# KiCad board knoblin3.kicad_pcb
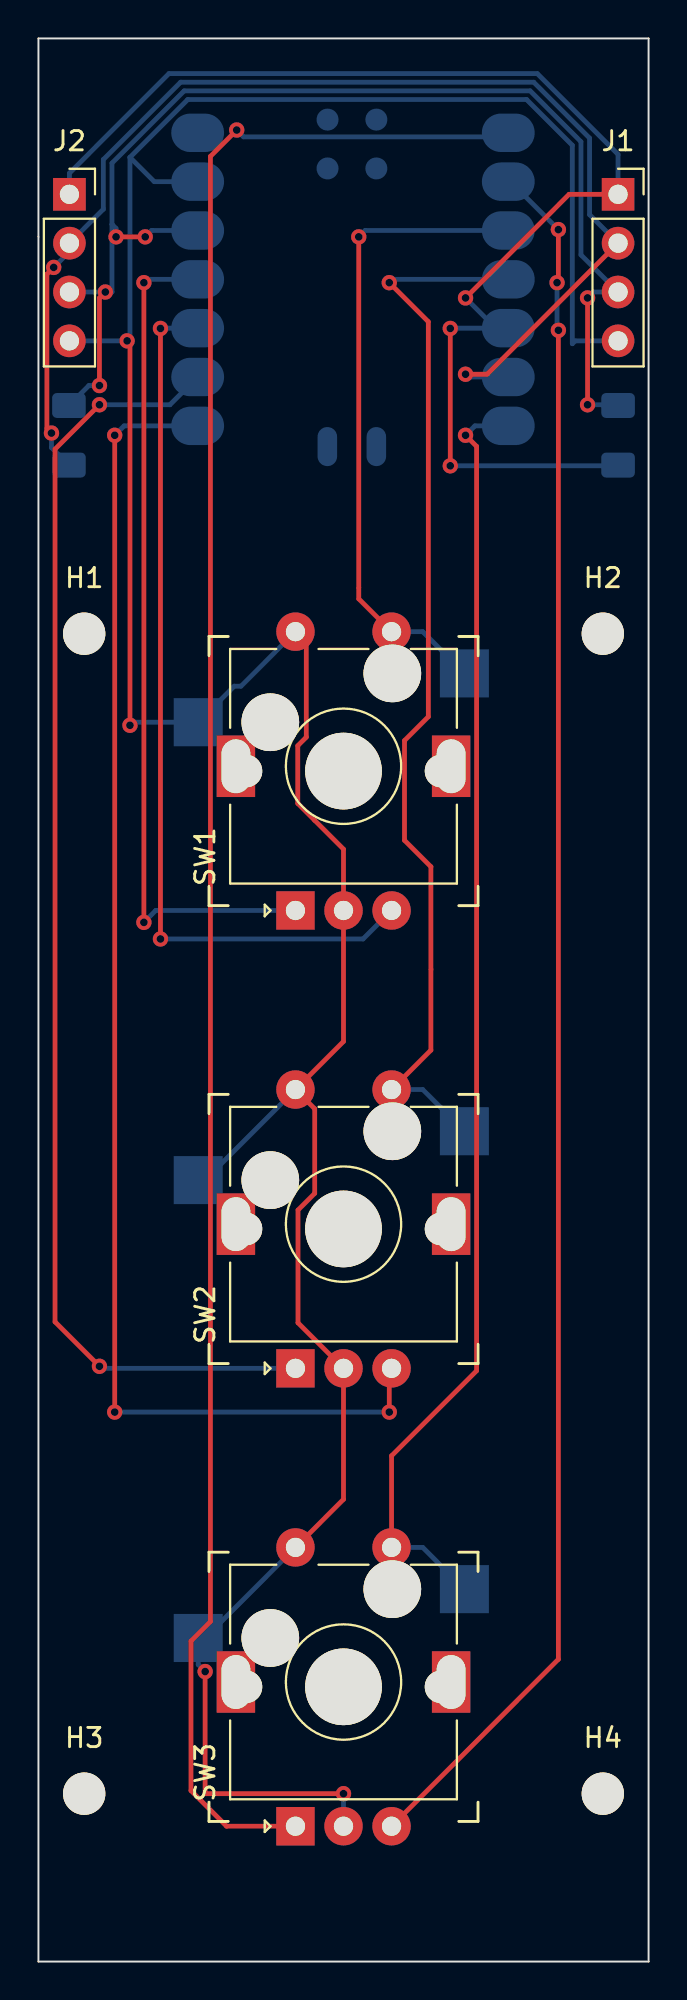
[diagram p0: board, top side]
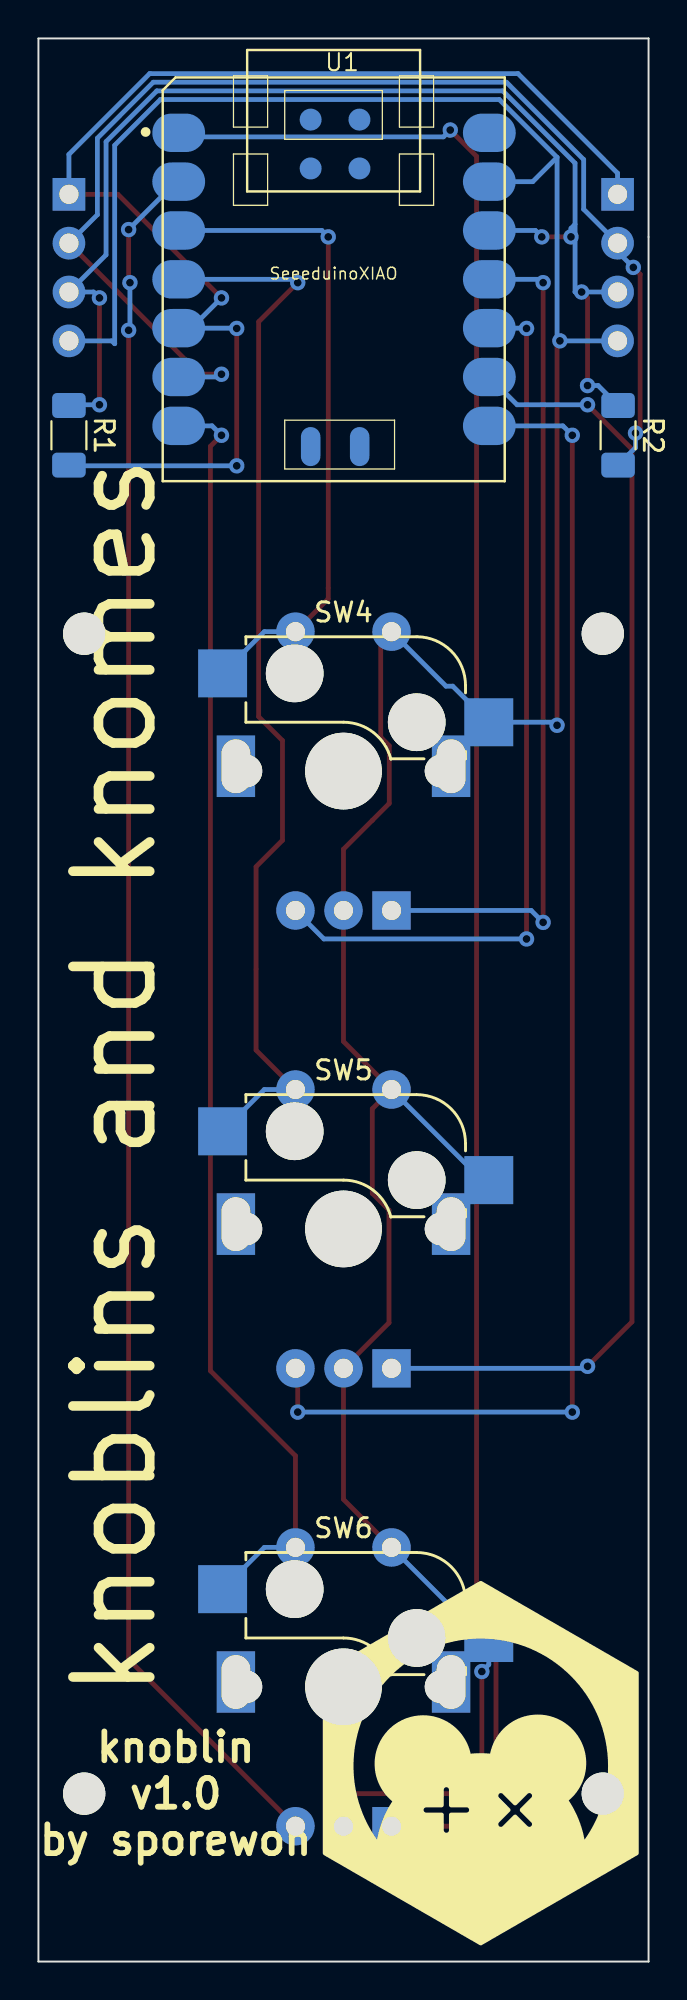
[diagram p1: board, bottom side, seen from below]

Outline 31.75 x 100.01 mm; copper layers: Top, Bottom. Coordinates in mm from the lower left corner of the outline.
Outline path: 0,100.01 31.75,100.01 31.75,0 0,0 0,100.01

## Placement (name value [footprint] x y rotation side)
H1  MountingHole  [MountingHole_2.2mm_M2_DIN965]  2.38 69.06 0 top
H2  MountingHole  [MountingHole_2.2mm_M2_DIN965]  29.37 69.06 0 top
H3  MountingHole  [MountingHole_2.2mm_M2_DIN965]  2.38 8.73 0 top
H4  MountingHole  [MountingHole_2.2mm_M2_DIN965]  29.37 8.73 0 top
J1  Conn_01x04_Male  [PinSocket_1x04_P2.54mm_Vertical]  30.16 91.91 0 top
J2  Conn_01x04_Female  [PinSocket_1x04_P2.54mm_Vertical]  1.61 91.91 0 top
R1  R  [R_1206_3216Metric_Pad1.30x1.75mm_HandSolder]  30.16 79.38 270 bottom
R2  R  [R_1206_3216Metric_Pad1.30x1.75mm_HandSolder]  1.59 79.38 270 bottom
SW1  RotaryEncoder_Switch  [RotaryEncoder_Alps_EC11E-Switch_Vertical_H20mm]  13.38 54.66 90 top
SW2  RotaryEncoder_Switch  [RotaryEncoder_Alps_EC11E-Switch_Vertical_H20mm]  13.38 30.85 90 top
SW3  RotaryEncoder_Switch  [RotaryEncoder_Alps_EC11E-Switch_Vertical_H20mm]  13.38 7.04 90 top
SW4  SW_SPST  [Kailh_socket_MX]  15.88 61.91 0 top
SW5  SW_SPST  [Kailh_socket_MX]  15.88 38.1 0 top
SW6  SW_SPST  [Kailh_socket_MX]  15.88 14.29 0 top
U1  SeeeduinoXIAO  [Seeeduino XIAO-MOUDLE14P-2.54-21X17.8MM]  25.28 76.99 180 bottom

## Footprints (pads in the part's own frame, mm; a bottom-side part is the same pattern mirrored in y, then rotated)
Kailh_socket_MX
  round 1.702 hole 1.702 unplated: (-5.08,0) (5.08,0)
  round 3 hole 3 unplated: (-3.81,2.54) (2.54,5.08)
  round 3.988 hole 3.988 unplated: (0,0)
  rect 2.55x2.5 smd far side: 1(6.29,5.08) 2(-7.56,2.54)
MountingHole_2.2mm_M2_DIN965
  round 2.2 hole 2.2 unplated: (0,0)
PinSocket_1x04_P2.54mm_Vertical
  rect 1.7x1.7 hole 1: 1(0,0)
  oval 1.7x1.7 hole 1: 2(0,-2.54) 3(0,-5.08) 4(0,-7.62)
R_1206_3216Metric_Pad1.30x1.75mm_HandSolder
  rrect 1.3x1.75 smd: 1(-1.55,0) 2(1.55,0)
RotaryEncoder_Alps_EC11E-Switch_Vertical_H20mm
  rect 2x2 hole 1: A(0,0)
  round 2 hole 1: B(0,-5) C(0,-2.5) S1(14.5,-5) S2(14.5,0)
  rect 3.2x2 hole 2.8x1.5: MP(7.5,3.1) MP(7.5,-8.1)
Seeeduino XIAO-MOUDLE14P-2.54-21X17.8MM
  oval 2.748x1.999 smd: 1(0.833,18.118) 2(0.833,15.578) 3(0.833,13.038) 4(0.833,10.498) 5(0.833,7.958) 6(0.833,5.418) 7(0.833,2.878) 8(16.998,2.878) 9(16.998,5.418) 10(16.998,7.958) 11(16.998,10.498) 12(16.998,13.038) 13(16.998,15.578) 14(16.998,18.118)
  oval 1.016x2.032 smd: 15(7.7,1.8) 16(10.25,1.8)
  round 1.143 smd: 17(7.699,18.804) 18(10.239,18.804) 19(7.699,16.264) 20(10.239,16.264)

## Nets
3v3: J1.3 J2.3 R1.1 R2.1 U1.12
gnd: J1.4 J2.4 SW1.C SW1.S2 SW2.C SW2.S2 SW3.C SW3.S2 SW4.2 SW5.2 SW6.2 U1.13
a1: SW1.A U1.11
a2: SW2.A U1.9
a3: SW3.A U1.1
b1: SW1.B U1.10
b2: SW2.B U1.8
b3: SW3.B U1.2
key1: SW1.S1 SW4.1 U1.3
key2: SW2.S1 SW5.1 U1.4
key3: SW3.S1 SW6.1 U1.7
scl: J1.2 J2.2 R2.2 U1.6
sda: J1.1 J2.1 R1.2 U1.5

Pads without a net: SW1 MP; SW2 MP; SW3 MP; U1 14 15 16 17 18 19 20

## Via types
v1: diameter 0.8, hole 0.4, Top to Bottom, 32 vias

## Routing (per net, layer and track width the routed paths; a pad name or vN(x,y) marks a point on that pad's centre or on a via; arc(x,y) is an arc through that point)
3v3: length 65.6
  Top w0.25: v1(4.04,89.69) v1(5.56,89.69) ; v1(3.48,86.83) 3.17,86.52 v1(3.17,81.96) ; v1(28.58,86.52) v1(28.58,80.96)
  Bottom w0.25: v1(4.04,89.69) 4.04,90.13 3.83,90.35 ; v1(28.58,80.96) 30.13,80.96 30.16,80.92 ; v1(28.58,86.52) 28.88,86.83 J1.3 28.23,88.76 28.23,94.64 25.59,97.29 7.58,97.29 3.83,93.53 3.83,90.35 ; U1.12 5.89,90.03 v1(5.56,89.69) ; 3.83,90.35 3.83,86.83 v1(3.48,86.83) J2.3 ; 1.59,80.92 2.62,81.96 v1(3.17,81.96)
gnd: length 169.3
  Top w0.25: v1(4.61,84.29) 4.76,84.14 v1(4.76,64.29) ; SW3.S2 15.88,24.04 SW2.C 13.51,33.22 13.51,39.08 14.38,39.95 14.38,44.35 SW2.S2 15.88,47.85 SW1.C 15.88,57.85 13.49,60.23 13.49,63.23 13.94,63.68 13.94,68.6 SW1.S2 ; v1(15.88,8.73) 8.73,8.73 8.68,8.79 v1(8.68,15.08)
  Bottom w0.25: U1.13 6.03,92.57 4.76,93.83 ; SW1.S2 10.54,66.33 10.19,66.33 SW4.2 4.92,64.45 v1(4.76,64.29) ; SW5.2 8.67,40.64 SW2.S2 ; J2.4 v1(4.61,84.29) 4.76,84.44 4.76,93.83 ; 4.76,93.83 7.77,96.84 25.4,96.84 27.78,94.46 27.78,84.14 27.93,84.29 J1.4 ; v1(15.88,8.73) SW3.C ; v1(8.68,15.08) 8.32,15.44 SW6.2 8.67,16.83 SW3.S2
a1: length 44.3
  Top w0.25: v1(5.49,87.31) v1(5.49,54.04)
  Bottom w0.25: SW1.A 6.11,54.66 v1(5.49,54.04) ; U1.11 5.66,87.49 v1(5.49,87.31)
a2: length 67.9
  Top w0.25: v1(3.17,80.96) 0.86,78.65 0.86,33.27 v1(3.17,30.96)
  Bottom w0.25: U1.9 6.84,80.96 v1(3.17,80.96) ; v1(3.17,30.96) 3.28,30.85 SW2.A
a3: length 107.9
  Top w0.25: SW3.A 9.79,7.04 7.94,8.89 7.94,16.67 8.95,17.68 8.95,93.88 v1(10.32,95.25)
  Bottom w0.25: v1(10.32,95.25) 10.67,94.9 24.24,94.9 U1.1
b1: length 46.3
  Top w0.25: v1(6.35,53.18) v1(6.35,84.93)
  Bottom w0.25: v1(6.35,84.93) 6.36,84.95 U1.10 ; v1(6.35,53.18) 16.89,53.18 SW1.B
b2: length 71.9
  Top w0.25: SW2.B 18.26,30.73 v1(18.26,28.57) ; v1(3.97,79.38) v1(3.97,28.57)
  Bottom w0.25: v1(3.97,79.38) 4.46,79.87 U1.8 ; v1(3.97,28.57) v1(18.26,28.57)
b3: length 90.3
  Top w0.25: v1(26.99,87.31) 27.06,87.38 v1(27.06,90.07) ; SW3.B 27.06,15.72 v1(27.06,84.84)
  Bottom w0.25: v1(27.06,90.07) 24.56,92.57 U1.2 ; v1(27.06,84.84) 26.99,84.91 v1(26.99,87.31)
key1: length 33.8
  Top w0.25: v1(16.67,89.69) 16.67,70.87 SW1.S1
  Bottom w0.25: SW1.S1 19.99,69.16 SW4.1 ; v1(16.67,89.69) 17,90.03 U1.3
key2: length 55.7
  Top w0.25: v1(18.26,87.31) 20.29,85.28 20.29,64.74 19.05,63.5 19.05,58.31 20.42,56.94 20.42,47.4 SW2.S1
  Bottom w0.25: v1(18.26,87.31) 18.43,87.49 U1.4 ; SW2.S1 19.99,45.35 SW5.1
key3: length 67
  Top w0.25: v1(22.23,79.38) 22.8,78.8 22.8,30.72 18.38,26.3 SW3.S1
  Bottom w0.25: SW6.1 19.99,21.54 SW3.S1 ; U1.7 22.72,79.87 v1(22.23,79.38)
scl: length 64.9
  Top w0.25: v1(0.68,79.49) 0.44,79.73 0.44,87.75 v1(0.79,88.11) ; J1.2 23.35,82.55 v1(22.23,82.55)
  Bottom w0.25: U1.6 22.37,82.41 v1(22.23,82.55) ; v1(0.79,88.11) 1.61,88.92 J2.2 3.38,91.13 3.38,93.72 7.4,97.74 25.77,97.74 28.68,94.83 28.68,90.85 J1.2 ; v1(0.68,79.49) 0.68,78.73 R2.2
sda: length 67.6
  Top w0.25: J1.1 27.61,91.91 v1(22.23,86.52) ; v1(21.43,84.93) v1(21.43,77.79)
  Bottom w0.25: J2.1 1.61,93.01 6.79,98.19 25.96,98.19 30.16,93.98 J1.1 ; v1(21.43,77.79) 30.13,77.79 R1.2 ; v1(22.23,86.52) 23.8,84.95 U1.5 21.45,84.95 v1(21.43,84.93)

## Text on the board
B.Silkscreen: knoblin / v1.0 / by sporewoh | knoblins and knomes
